# Altium PCB InsaneKeyboard.PcbDoc (part 2 of 4)
Units mil, origin at the board's own origin, x right, y up, seen from the top; angles counter-clockwise.
Board outline 7442.83 x 6333.68 mil, 2 copper layers (Top Layer, Bottom Layer), stack 61.756 mil thick; 289 components, 175 nets, 928 pads, 1143 vias.
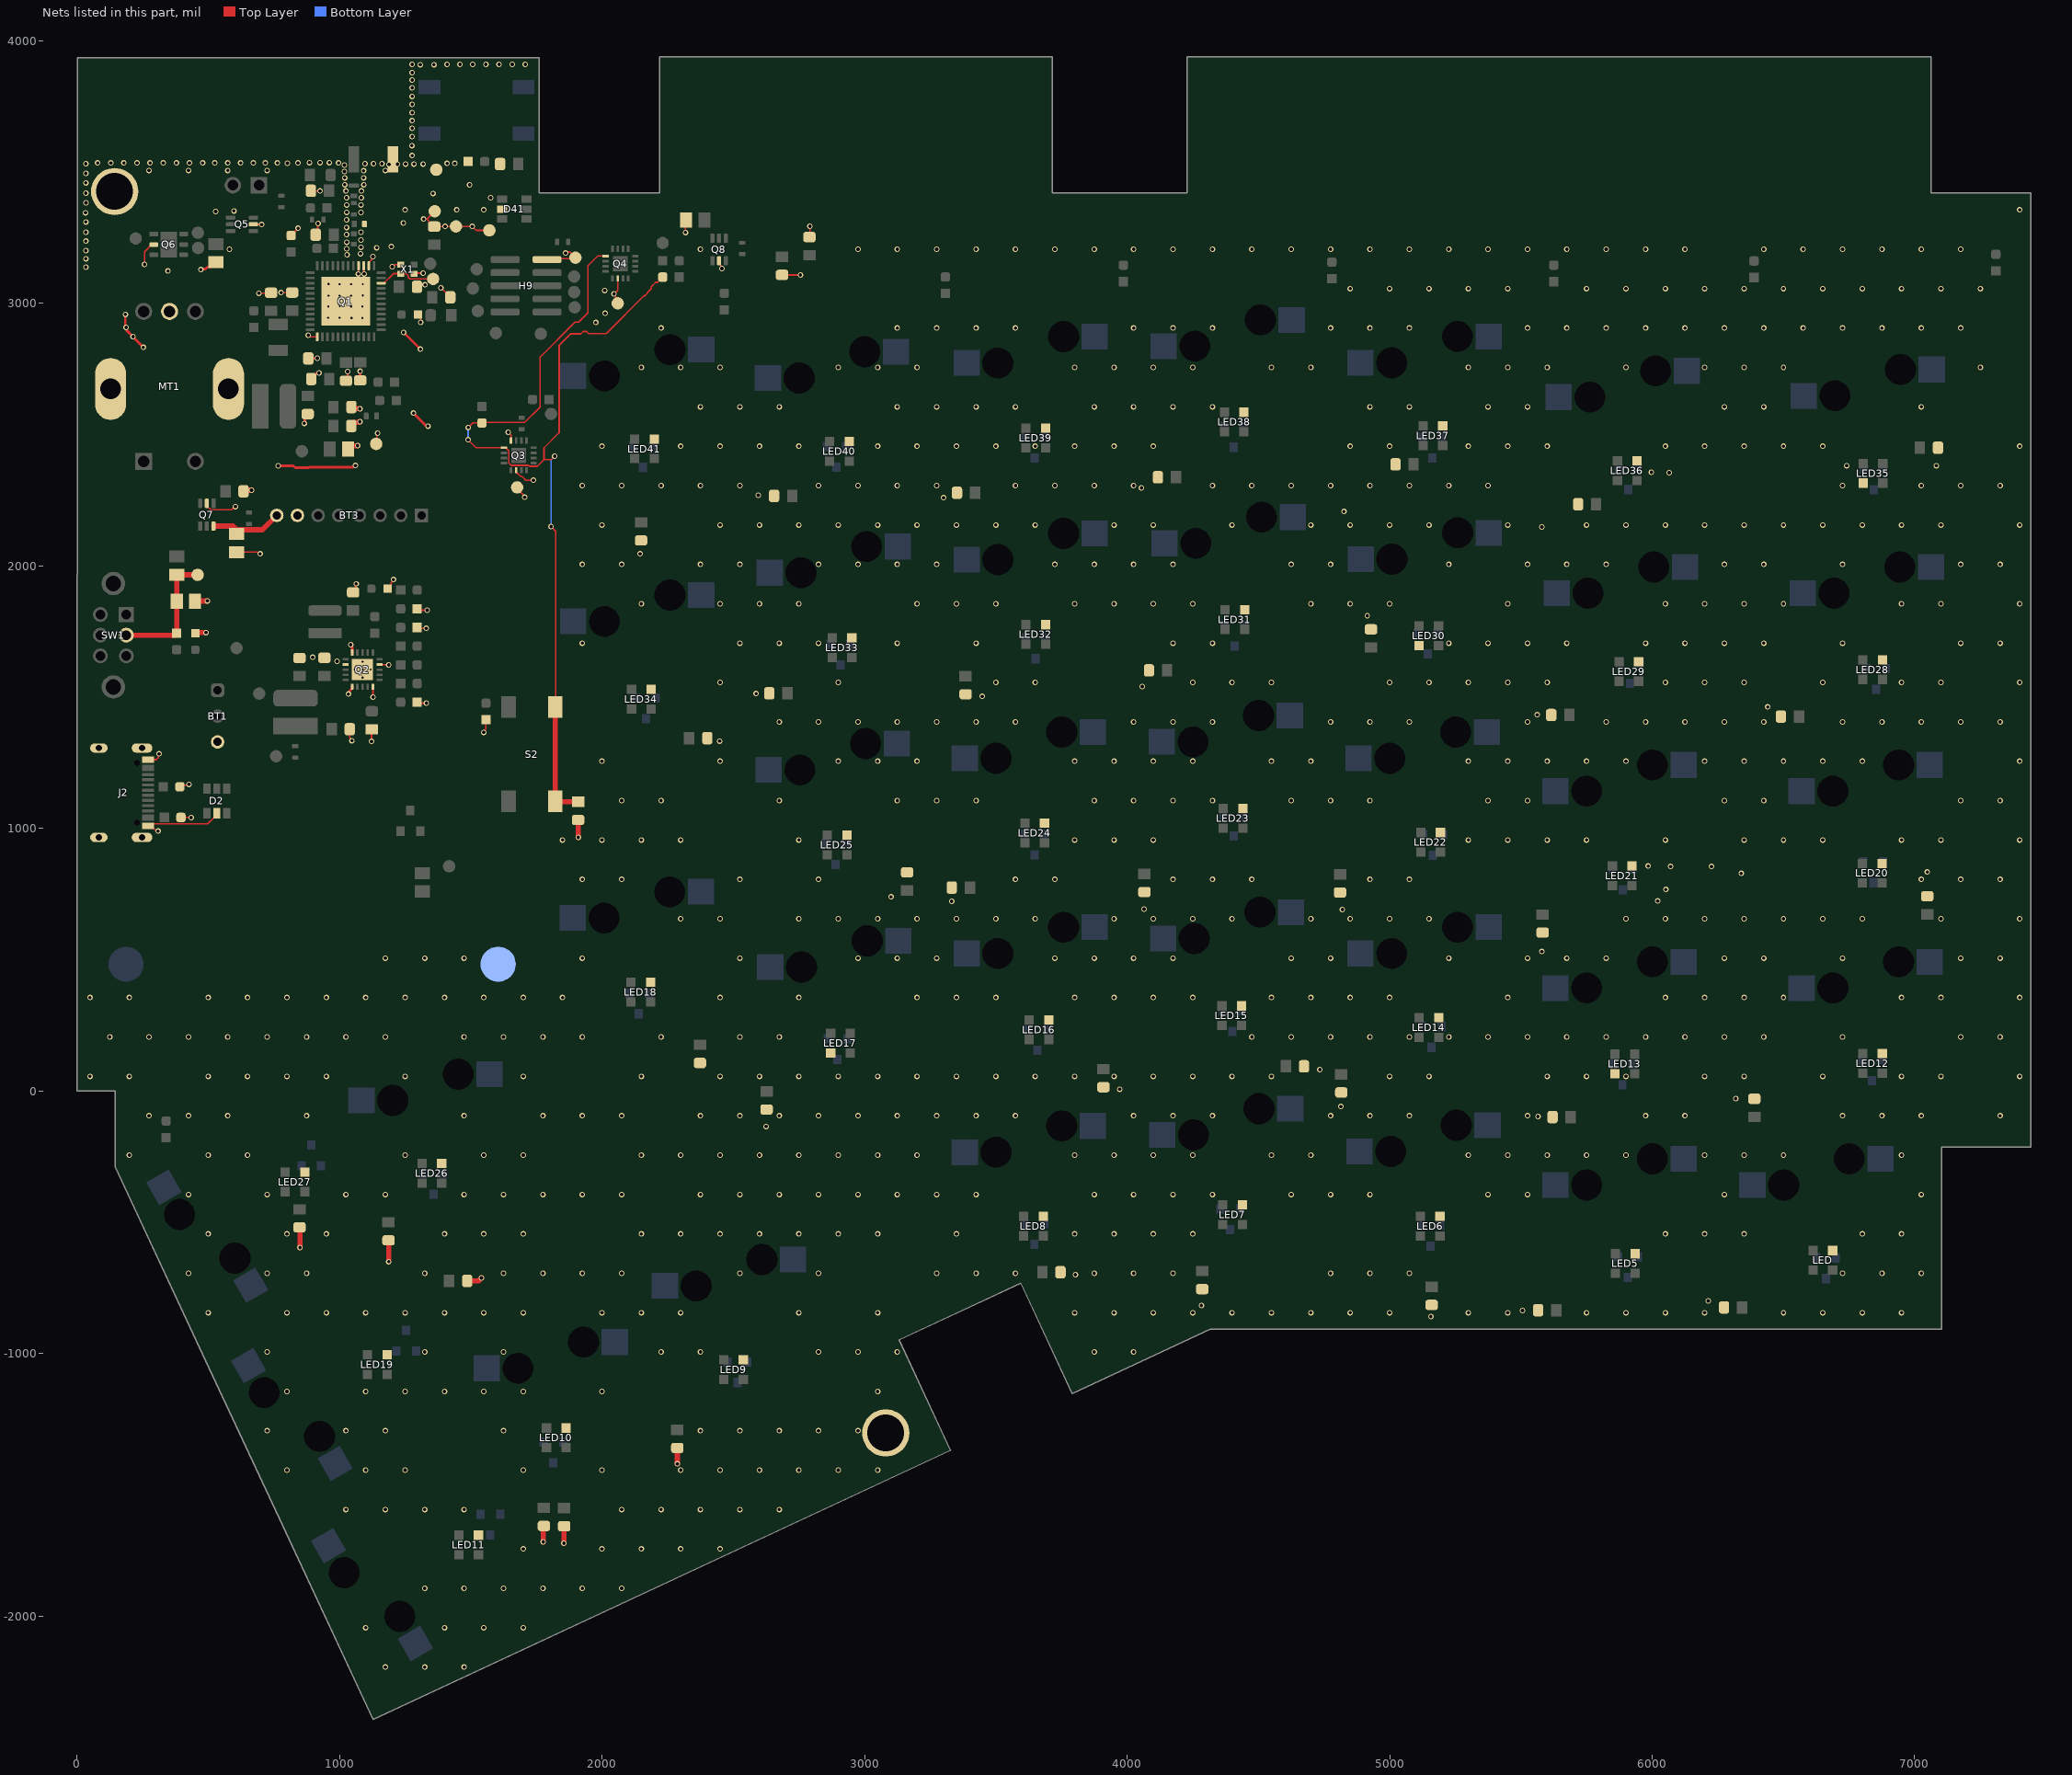
[diagram p2: the nets of this part, all layers, seen from the top]

## Part data (continued)
C8 C9 C12 C13 C14 C26 C27 C29 C31 C32 C33 C34 C35 C36 C37 C38 C39 C40 C41 C42 C43 C44 C45 C46 C47 C48 C49 C50 C51 C52 C53 C54 C55 C56 C57 C58 C59 C60 C61 C62 C63 C64 C65 C66 C67 C68 C69: library part "CAP 1uF 10V 0603", "Ceramic Capacitor, Multilayer, Ceramic, 10V, 10% +Tol, 10% -Tol, X5R, 15% TC, 1uF, Surface Mount, 0603", Capacitor Type=Ceramic, Case/Package=0603, Manufacturer=Murata, Manufacturer Part Number=GRM188R61A105KA61D, Max Operating Temperature=85°C, Min Operating Temperature=-55°C, Package Shape=Rectangular, Package Style=SMTMeter, Rated DC Voltage (URdc)=10V, Supplier Part Number=490-1543-1-ND, Temperature Characteristics Code=X5R, Tolerance  (fill in as +-)=10%, Category="Ceramic Capacitors", ComponentLink1Description=https://psearch.en.murata.com:443/capacitor/product/GRM188R61A105KA61%23.pdf?src-supplier=IHS+Markit, ComponentLink1URL=https://psearch.en.murata.com:443/capacitor/product/GRM188R61A105KA61%23.pdf?src-supplier=IHS+Markit, ComponentLink2Description=https://datasheet.ciiva.com/18102/getdatasheetpartid-85467-18102910.pdf?src-supplier=Verical, ComponentLink2URL=https://datasheet.ciiva.com/18102/getdatasheetpartid-85467-18102910.pdf?src-supplier=Verical, ComponentLink3Description=https://datasheet.ciiva.com/19476/1857381-19476568.pdf?src-supplier=Jameco, ComponentLink3URL=https://datasheet.ciiva.com/19476/1857381-19476568.pdf?src-supplier=Jameco, ComponentLink4Description=https://datasheet.ciiva.com/7719/608985-7719036.pdf?src-supplier=Element14, ComponentLink4URL=https://datasheet.ciiva.com/7719/608985-7719036.pdf?src-supplier=Element14, ComponentLink5Description=https://datasheet.ciiva.com/22706/608985-22706782.pdf?src-supplier=Element14, ComponentLink5URL=https://datasheet.ciiva.com/22706/608985-22706782.pdf?src-supplier=Element14, ComponentLink6Description=https://datasheet.ciiva.com/131/partnumbering-e-01-131741.pdf?src-supplier=Digikey, ComponentLink6URL=https://datasheet.ciiva.com/131/partnumbering-e-01-131741.pdf?src-supplier=Digikey, ComponentLink7Description=https://datasheet.ciiva.com/131/partnumbering-e-01-131742.pdf?src-supplier=Digikey, ComponentLink7URL=https://datasheet.ciiva.com/131/partnumbering-e-01-131742.pdf?src-supplier=Digikey, ComponentLink8Description=https://datasheet.ciiva.com/131/partnumbering-e-01-131743.pdf?src-supplier=Digikey, ComponentLink8URL=https://datasheet.ciiva.com/131/partnumbering-e-01-131743.pdf?src-supplier=Digikey, ComponentLink9Description=https://datasheet.ciiva.com/16199/product-16199724.pdf?src-supplier=Future+Electronics, ComponentLink9URL=https://datasheet.ciiva.com/16199/product-16199724.pdf?src-supplier=Future+Electronics, Dielectric Material=Ceramic, Height=0.8mm, JESD-609 Code=e3, Length=1.6mm, Mounting Technology="Surface Mount", Multilayer=Yes, Packaging="Tape and Reel", Pins=2, Pricing="1=0.1, 10=0.059, 50=0.0408, 100=0.0354, 500=0.0261, 1000=0.02321 (USD)", Reach SVHC Compliant=Yes, RoHS=Yes, RoHS Compliant=Yes, Stock=2506225, Supplier=Digikey, Terminal Finish=Nickel, Termination=Wraparound, Tolerance (fill in as +-)=10%, Width=0.8mm
C11 C16 C18: library part "CAP 10nF 100V 0603", "Ceramic Capacitor, Multilayer, Ceramic, 100V, 10% +Tol, 10% -Tol, X7R, 15% TC, 0.01uF, Surface Mount, 0603", Capacitor Type=Ceramic, Case/Package=0603, Manufacturer=Murata, Manufacturer Part Number=GCM188R72A103KA37D, Max Operating Temperature=125°C, Min Operating Temperature=-55°C, Package Shape=Rectangular, Package Style=SMTMeter, Rated DC Voltage (URdc)=100V, Supplier Part Number=490-4781-1-ND, Temperature Characteristics Code=X7R, Tolerance  (fill in as +-)=10%, Category="Ceramic Capacitors", ComponentLink1Description=https://psearch.en.murata.com:443/capacitor/product/GCM188R72A103KA37%23.pdf?src-supplier=IHS+Markit, ComponentLink1URL=https://psearch.en.murata.com:443/capacitor/product/GCM188R72A103KA37%23.pdf?src-supplier=IHS+Markit, ComponentLink2Description=https://datasheet.ciiva.com/132/product-132907.pdf?src-supplier=Digikey, ComponentLink2URL=https://datasheet.ciiva.com/132/product-132907.pdf?src-supplier=Digikey, ComponentLink3Description=https://datasheet.ciiva.com/132/product-132908.pdf?src-supplier=Digikey, ComponentLink3URL=https://datasheet.ciiva.com/132/product-132908.pdf?src-supplier=Digikey, ComponentLink4Description=https://datasheet.ciiva.com/132/product-132909.pdf?src-supplier=Digikey, ComponentLink4URL=https://datasheet.ciiva.com/132/product-132909.pdf?src-supplier=Digikey, ComponentLink5Description=https://datasheet.ciiva.com/11786/0900766b80ef92d0-11786108.pdf?src-supplier=Rs, ComponentLink5URL=https://datasheet.ciiva.com/11786/0900766b80ef92d0-11786108.pdf?src-supplier=Rs, ComponentLink6Description=https://datasheet.ciiva.com/16497/product-16497251.pdf?src-supplier=Future+Electronics, ComponentLink6URL=https://datasheet.ciiva.com/16497/product-16497251.pdf?src-supplier=Future+Electronics, ComponentLink7Description=https://datasheet.ciiva.com/18183/getdatasheetpartid-178890-18183651.pdf?src-supplier=Verical, ComponentLink7URL=https://datasheet.ciiva.com/18183/getdatasheetpartid-178890-18183651.pdf?src-supplier=Verical, ComponentLink8Description=https://datasheet.ciiva.com/11619/product-11619719.pdf?src-supplier=Avnet, ComponentLink8URL=https://datasheet.ciiva.com/11619/product-11619719.pdf?src-supplier=Avnet, Dielectric Material=Ceramic, Height=0.9mm, JESD-609 Code=e3, Length=1.6mm, Mounting Technology="Surface Mount", Multilayer=Yes, Packaging="Tape and Reel", Pins=2, Pricing="1=0.1, 10=0.03, 50=0.0204, 100=0.0174, 500=0.0125, 1000=0.01097, 4000=0.00978, 8000=0.00881, 12000=0.00833, 20000=0.00779, 28000=0.00747, 40000=0.00716, 100000=0.0065, 200000=0.00638 (USD)", Reach SVHC Compliant=Yes, Reference Standard=AEC-Q200, RoHS=Yes, RoHS Compliant=Yes, Stock=6259212, Supplier=Digikey, Terminal Finish=Nickel, Termination=Wraparound, Tolerance (fill in as +-)=10%, Width=0.8mm
C19: library part "CAP 22uF 6.3V 0603", "Ceramic Capacitor, Multilayer, Ceramic, 6.3V, 20% +Tol, 20% -Tol, X5R, 15% TC, 22uF, Surface Mount, 0603", Capacitance="22 uF", Capacitor Type=Ceramic, Case Code - in=0603, Case Code - mm=1608, Dielectric=X5R, Manufacturer=Murata, Manufacturer Part Number=GRM188R61A226ME15D, Max Operating Temperature=85°C, Maximum Operating Temperature="+ 85 C", Min Operating Temperature=-55°C, Minimum Operating Temperature="- 55 C", Package / Case="0603 (1608 metric)", Package Shape=Rectangular, Package Style=SMTMeter, Rated DC Voltage (URdc)=6.3V, Supplier Part Number=490-10476-1-ND, Tolerance="20 %", Tolerance  (fill in as +-)=20%, Voltage Rating DC="10 VDC", Brand="Murata Electronics", Case/Package=0603, Category="Ceramic Capacitors", ComponentLink1Description=http://www.farnell.com/datasheets/2047978.pdf?src-supplier=Element14, ComponentLink1URL=http://www.farnell.com/datasheets/2047978.pdf?src-supplier=Element14, ComponentLink2Description=https://datasheet.ciiva.com:443/pdfs/VipMasterIC/IC/MURE/MURE-S-A0004349797/MURE-S-A0004352371-1.pdf?src-supplier=IHS+Markit, ComponentLink2URL=https://datasheet.ciiva.com:443/pdfs/VipMasterIC/IC/MURE/MURE-S-A0004349797/MURE-S-A0004352371-1.pdf?src-supplier=IHS+Markit, ComponentLink3Description=https://datasheet.ciiva.com/29541/partnumbering-e-01-29541598.pdf?src-supplier=Digikey, ComponentLink3URL=https://datasheet.ciiva.com/29541/partnumbering-e-01-29541598.pdf?src-supplier=Digikey, Dielectric Material=Ceramic, Factory Pack Quantity=4000, Height="0.8 mm", JESD-609 Code=e3, Length="1.6 mm", Mounting Technology="Surface Mount", Multilayer=Yes, Packaging=Reel, Pins=2, Pricing="10000=0.03357, 20000=0.03118, 30000=0.02998, 50000=0.02865, 70000=0.02786, 100000=0.0271, 250000=0.02546 (USD)", Pricing 1="1=0.33, 10=0.226, 50=0.1506, 100=0.1279, 500=0.0903, 1000=0.079 (USD)", Product="General Type MLCCs", Product Category="Multilayer Ceramic Capacitors MLCC - SMD/SMT", Reach SVHC Compliant=Yes, RoHS=True, RoHS Compliant=Yes, Series=GRM, Stock=350000, Stock 1=849458, Supplier=Digikey, Supplier 1=Digi-Key, Temperature Characteristics Code=X5R, Terminal Finish=Nickel, Termination=Wraparound, Termination Style=SMD/SMT, Tolerance (fill in as +-)=20%, Type="Voltage and Temperature Derating Recommended Product", Unit Weight="0.000222 oz", Width="0.8 mm"
C20 C21: library part "CAP 0.1uF 100V 0603", "Ceramic Capacitor, Multilayer, Ceramic, 100V, 10% +Tol, 10% -Tol, X7R, 15% TC, 0.01uF, Surface Mount, 0603", Capacitor Type=Ceramic, Case/Package=0603, Manufacturer=Murata, Manufacturer Part Number=GCM188R72A103KA37D, Max Operating Temperature=125°C, Min Operating Temperature=-55°C, Package Shape=Rectangular, Package Style=SMTMeter, Rated DC Voltage (URdc)=100V, Supplier Part Number=490-4781-1-ND, Temperature Characteristics Code=X7R, Tolerance  (fill in as +-)=10%, Category="Ceramic Capacitors", ComponentLink1Description=https://psearch.en.murata.com:443/capacitor/product/GCM188R72A103KA37%23.pdf?src-supplier=IHS+Markit, ComponentLink1URL=https://psearch.en.murata.com:443/capacitor/product/GCM188R72A103KA37%23.pdf?src-supplier=IHS+Markit, ComponentLink2Description=https://datasheet.ciiva.com/132/product-132907.pdf?src-supplier=Digikey, ComponentLink2URL=https://datasheet.ciiva.com/132/product-132907.pdf?src-supplier=Digikey, ComponentLink3Description=https://datasheet.ciiva.com/132/product-132908.pdf?src-supplier=Digikey, ComponentLink3URL=https://datasheet.ciiva.com/132/product-132908.pdf?src-supplier=Digikey, ComponentLink4Description=https://datasheet.ciiva.com/132/product-132909.pdf?src-supplier=Digikey, ComponentLink4URL=https://datasheet.ciiva.com/132/product-132909.pdf?src-supplier=Digikey, ComponentLink5Description=https://datasheet.ciiva.com/11786/0900766b80ef92d0-11786108.pdf?src-supplier=Rs, ComponentLink5URL=https://datasheet.ciiva.com/11786/0900766b80ef92d0-11786108.pdf?src-supplier=Rs, ComponentLink6Description=https://datasheet.ciiva.com/16497/product-16497251.pdf?src-supplier=Future+Electronics, ComponentLink6URL=https://datasheet.ciiva.com/16497/product-16497251.pdf?src-supplier=Future+Electronics, ComponentLink7Description=https://datasheet.ciiva.com/18183/getdatasheetpartid-178890-18183651.pdf?src-supplier=Verical, ComponentLink7URL=https://datasheet.ciiva.com/18183/getdatasheetpartid-178890-18183651.pdf?src-supplier=Verical, ComponentLink8Description=https://datasheet.ciiva.com/11619/product-11619719.pdf?src-supplier=Avnet, ComponentLink8URL=https://datasheet.ciiva.com/11619/product-11619719.pdf?src-supplier=Avnet, Dielectric Material=Ceramic, Height=0.9mm, JESD-609 Code=e3, Length=1.6mm, Mounting Technology="Surface Mount", Multilayer=Yes, Packaging="Tape and Reel", Pins=2, Pricing="4000=0.00978, 8000=0.00881, 12000=0.00833, 20000=0.00779, 28000=0.00747, 40000=0.00716, 100000=0.0065, 200000=0.00638 (USD)", Reach SVHC Compliant=Yes, Reference Standard=AEC-Q200, RoHS=Yes, RoHS Compliant=Yes, Stock=6260000, Supplier=Digikey, Terminal Finish=Nickel, Termination=Wraparound, Tolerance (fill in as +-)=10%, Width=0.8mm
C22 C23 C24 C25 C28 C30 C70: library part "CAP 47uF 10V 0805", "Multilayer Ceramic Capacitor, 1 uF, 10 V, ± 20%, X5R, 0201 [0603 Metric]", Case Code (Imperial)=0201, Case Code (Metric)=0603, Dielectric=X5R, Manufacturer=Murata, Manufacturer Part Number=GRM033R61A105ME15D, Max Operating Temperature=85°C, Min Operating Temperature=-55°C, Supplier Part Number=490-13226-1-ND, Tolerance=20%, Voltage Rating=10V, Case/Package=0201, Category="Ceramic Capacitors", ComponentLink1Description=http://search.murata.co.jp/Ceramy/image/img/A01X/G101/ENG/GRM033R61A105ME15-01.pdf?src-supplier=Digikey, ComponentLink1URL=http://search.murata.co.jp/Ceramy/image/img/A01X/G101/ENG/GRM033R61A105ME15-01.pdf?src-supplier=Digikey, ComponentLink2Description=https://datasheet.octopart.com/GRM033R61A105ME15D-Murata-datasheet-86568077.pdf?src-supplier=Future+Electronics, ComponentLink2URL=https://datasheet.octopart.com/GRM033R61A105ME15D-Murata-datasheet-86568077.pdf?src-supplier=Future+Electronics, Height=390um, Length=0.024inch, Material=Ceramic, Mounting Technology="Surface Mount", Packaging="Cut Tape", Pricing="1=0.35, 10=0.204, 50=0.147, 100=0.1291, 500=0.0988, 1000=0.08934, 2500=0.0793, 5000=0.07321 (USD)", RoHS=Yes, RoHS Compliant=Yes, Series=GRM, Stock=595344, Supplier=Digikey, Thickness=0.015inch, Voltage Rating (DC)=10V, Width=0.012inch
D1 D3 D4 D5 D6 D7 D8 D9 D10 D11 D12 D13 D14 D15 D16 D17 D18 D19 D20 D21 D22 D23 D24 D25 D26 D27 D28 D29 D30 D31 D32 D33 D34 D35 D36 D37 D38 D39 D40: library part "Diode Schottky", "Rectifier Diode, Schottky, 2 Element, 0.2A, 30V V(RRM), Silicon", Manufacturer=Good-Ark, Manufacturer Part Number=BAT54C, Max Operating Temperature=150°C, Max Output current=200mA, Max Power Dissipation=290mW, Package Body Material=Plastic, Package Shape=Rectangular, Package Style="SMALL OUTLINEMeter", Rep Pk Reverse Voltage-Max=30V, Supplier Part Number=4786-BAT54CCT-ND, Category=Diodes, ComponentLink1Description=https://datasheet.ciiva.com:443/pdfs/VipMasterIC/IC/GOAE/GOAE-S-A0004282608/GOAE-S-A0004282608-1.pdf?src-supplier=IHS+Markit, ComponentLink1URL=https://datasheet.ciiva.com:443/pdfs/VipMasterIC/IC/GOAE/GOAE-S-A0004282608/GOAE-S-A0004282608-1.pdf?src-supplier=IHS+Markit, Diode Element Material=SILICON, Diode Type=RECTIFIER, JESD-30 Code=R-PDSO-G3, Number of Elements=2, Pins=3, Pricing="1=0.1, 10=0.052, 100=0.0348, 500=0.0263, 1000=0.02338 (USD)", Reach SVHC Compliant=Yes, Reverse Recovery Time-Max=0.005us, RoHS=Yes, RoHS Compliant=Yes, Stock=18297, Supplier=Digikey, Surface Mount=Yes, Technology=SCHOTTKY, Terminal Form="Gull Wing", Terminal Position=DUAL
D2: library part TVS_Diode, "Trans Voltage Suppressor Diode, 5V V(RWM), Unidirectional, 1 Element, Silicon", Breakdown Voltage-Nom=6V, Clamping Voltage-Max=17.5V, Manufacturer=MCC, Manufacturer Part Number=SRV05-4L-TP, Max Operating Temperature=150°C, Min Operating Temperature=-55°C, Package Body Material=Plastic, Package Shape=Rectangular, Package Style="SMALL OUTLINEMeter", Peak Reflow Temperature (Cel)=260°C, Rep Pk Reverse Voltage-Max=5V, Supplier Part Number=SRV05-4L-TPMSCT-ND, Time @ Peak Reflow Temperature-Max (s)=10s, Category="TVS Diodes", ComponentLink1Description=https://datasheet.ciiva.com/18065/getdatasheetpartid-93542-18065216.pdf?src-supplier=Verical, ComponentLink1URL=https://datasheet.ciiva.com/18065/getdatasheetpartid-93542-18065216.pdf?src-supplier=Verical, ComponentLink2Description=https://datasheet.ciiva.com/8029/srv05-4-8029973.pdf?src-supplier=Element14, ComponentLink2URL=https://datasheet.ciiva.com/8029/srv05-4-8029973.pdf?src-supplier=Element14, ComponentLink3Description=https://datasheet.ciiva.com/338/srv05-4-338860.pdf?src-supplier=Digikey, ComponentLink3URL=https://datasheet.ciiva.com/338/srv05-4-338860.pdf?src-supplier=Digikey, ComponentLink4Description=https://datasheet.ciiva.com/338/srv05-4-338861.pdf?src-supplier=Digikey, ComponentLink4URL=https://datasheet.ciiva.com/338/srv05-4-338861.pdf?src-supplier=Digikey, ComponentLink5Description=https://datasheet.ciiva.com/338/srv05-4-338862.pdf?src-supplier=Digikey, ComponentLink5URL=https://datasheet.ciiva.com/338/srv05-4-338862.pdf?src-supplier=Digikey, ComponentLink6Description=https://datasheet.ciiva.com/11193/srv05-4-11193639.pdf?src-supplier=Avnet, ComponentLink6URL=https://datasheet.ciiva.com/11193/srv05-4-11193639.pdf?src-supplier=Avnet, ComponentLink7Description=https://datasheet.ciiva.com/16396/srv05-4-16396600.pdf?src-supplier=Future+Electronics, ComponentLink7URL=https://datasheet.ciiva.com/16396/srv05-4-16396600.pdf?src-supplier=Future+Electronics, ComponentLink8Description=https://datasheet.ciiva.com:443/pdfs/VipMasterIC/IC/MCCC/MCCC-S-A0009363148/MCCC-S-A0009375196-1.pdf?src-supplier=IHS+Markit, ComponentLink8URL=https://datasheet.ciiva.com:443/pdfs/VipMasterIC/IC/MCCC/MCCC-S-A0009363148/MCCC-S-A0009375196-1.pdf?src-supplier=IHS+Markit, ComponentLink9Description=https://datasheet.ciiva.com/336/srv05-4lsot23-6l-336634.pdf?src-supplier=Digikey, ComponentLink9URL=https://datasheet.ciiva.com/336/srv05-4lsot23-6l-336634.pdf?src-supplier=Digikey, ComponentLink10Description=https://datasheet.ciiva.com/23688/1684857-23688658.pdf?src-supplier=Newark, ComponentLink10URL=https://datasheet.ciiva.com/23688/1684857-23688658.pdf?src-supplier=Newark, ComponentLink11Description=https://datasheet.ciiva.com/4479/srv05-4lsot23-6l-43477-4479587.pdf?src-supplier=Mouser, ComponentLink11URL=https://datasheet.ciiva.com/4479/srv05-4lsot23-6l-43477-4479587.pdf?src-supplier=Mouser, ComponentLink12Description=https://datasheet.ciiva.com/336/srv05-4lsot23-6l-336635.pdf?src-supplier=Digikey, ComponentLink12URL=https://datasheet.ciiva.com/336/srv05-4lsot23-6l-336635.pdf?src-supplier=Digikey, ComponentLink13Description=https://datasheet.ciiva.com/336/srv05-4lsot23-6l-336636.pdf?src-supplier=Digikey, ComponentLink13URL=https://datasheet.ciiva.com/336/srv05-4lsot23-6l-336636.pdf?src-supplier=Digikey, ComponentLink14Description=https://datasheet.ciiva.com/7974/1684857-7974109.pdf?src-supplier=Element14, ComponentLink14URL=https://datasheet.ciiva.com/7974/1684857-7974109.pdf?src-supplier=Element14, ComponentLink15Description=https://datasheet.ciiva.com/17447/srv05-4lsot23-6l-17447949.pdf?src-supplier=Future+Electronics, ComponentLink15URL=https://datasheet.ciiva.com/17447/srv05-4lsot23-6l-17447949.pdf?src-supplier=Future+Electronics, Diode Element Material=SILICON, Diode Type="TRANS VOLTAGE SUPPRESSOR", JESD-30 Code=R-PDSO-G6, JESD-609 Code=e3, Min Breakdown Voltage=6V, Moisture Sensitivity Level=1, Number of Elements=1, Pins=6, Polarity=Unidirectional, Pricing="1=0.49, 10=0.332, 100=0.2248, 500=0.17558, 1000=0.15926 (USD)", Qualification Status="Not Qualified", Reach SVHC Compliant=Yes, RoHS=Yes, RoHS Compliant=Yes, Stock=23215, Supplier=Digikey, Surface Mount=Yes, Technology=AVALANCHE, Terminal Finish=Tin, Terminal Form="Gull Wing", Terminal Position=DUAL
D41: library part D_TVS_Diode, "Trans Voltage Suppressor Diode, 300W, 5V V(RWM), Unidirectional, 1 Element, Silicon", Clamping Voltage-Max=12.5V, LCSC Part#=C85364, Manufacturer=Semtech, Manufacturer Part Number=SRV05-4.TCT, Max Operating Temperature=125°C, MFR Part #=SRV05-4-P-T7, Min Breakdown Voltage=6V, Min Operating Temperature=-55°C, Non-rep Peak Rev Power Dis-Max=300W, Package Body Material=Plastic, Package Shape=Rectangular, Package Style="SMALL OUTLINEMeter", Peak Reflow Temperature (Cel)=260°C, Rep Pk Reverse Voltage-Max=5V, Supplier Part Number=SRV05-4CT-ND, Time @ Peak Reflow Temperature-Max (s)=30s, Category="TVS Diodes", ComponentLink1Description=https://datasheet.ciiva.com:443/pdfs/VipMasterIC/IC/SEMT/SEMT-S-A0000304756/SEMT-S-A0000304756-1.pdf?src-supplier=IHS+Markit, ComponentLink1URL=https://datasheet.ciiva.com:443/pdfs/VipMasterIC/IC/SEMT/SEMT-S-A0000304756/SEMT-S-A0000304756-1.pdf?src-supplier=IHS+Markit, ComponentLink2Description=https://datasheet.ciiva.com/8029/srv05-4-8029973.pdf?src-supplier=Element14, ComponentLink2URL=https://datasheet.ciiva.com/8029/srv05-4-8029973.pdf?src-supplier=Element14, ComponentLink3Description=https://datasheet.ciiva.com/18065/getdatasheetpartid-93542-18065216.pdf?src-supplier=Verical, ComponentLink3URL=https://datasheet.ciiva.com/18065/getdatasheetpartid-93542-18065216.pdf?src-supplier=Verical, ComponentLink4Description=https://datasheet.ciiva.com/338/srv05-4-338860.pdf?src-supplier=Digikey, ComponentLink4URL=https://datasheet.ciiva.com/338/srv05-4-338860.pdf?src-supplier=Digikey, ComponentLink5Description=https://datasheet.ciiva.com/338/srv05-4-338861.pdf?src-supplier=Digikey, ComponentLink5URL=https://datasheet.ciiva.com/338/srv05-4-338861.pdf?src-supplier=Digikey, ComponentLink6Description=https://datasheet.ciiva.com/338/srv05-4-338862.pdf?src-supplier=Digikey, ComponentLink6URL=https://datasheet.ciiva.com/338/srv05-4-338862.pdf?src-supplier=Digikey, ComponentLink7Description=https://datasheet.ciiva.com/11193/srv05-4-11193639.pdf?src-supplier=Avnet, ComponentLink7URL=https://datasheet.ciiva.com/11193/srv05-4-11193639.pdf?src-supplier=Avnet, ComponentLink8Description=https://datasheet.ciiva.com/16396/srv05-4-16396600.pdf?src-supplier=Future+Electronics, ComponentLink8URL=https://datasheet.ciiva.com/16396/srv05-4-16396600.pdf?src-supplier=Future+Electronics, Datasheet=https://datasheet.lcsc.com/szlcsc/ProTek-Devices-SRV05-4-P-T7_C85364.pdf, Diode Element Material=SILICON, Diode Type="TRANS VOLTAGE SUPPRESSOR", JESD-30 Code=R-PDSO-G6, JESD-609 Code=e3, Moisture Sensitivity Level=1, Number of Elements=1, Pins=6, Polarity=Unidirectional, Pricing="1=1.34, 10=0.903, 100=0.6313, 500=0.50952, 1000=0.46965 (USD)", Qualification Status="Not Qualified", Reach SVHC Compliant=Yes, RoHS=Yes, RoHS Compliant=Yes, Stock=366681, Supplier=Digikey, Surface Mount=Yes, Technology=AVALANCHE, Terminal Finish=Tin, Terminal Form="Gull Wing", Terminal Position=DUAL, Type=Basic
H1 H2: library part HOLE_#4
H3: library part PRPC002SAAN-RC, "CONN HEADER VERT 2POS 2.54MM", Color=Black, Manufacturer=Sullins, Standard Package=1, Supplier Part Number 1=S1011EC-02-ND, Category="Connectors, Interconnects", ComponentLink1Description=https://media.digikey.com/PDF/Data%20Sheets/Sullins%20PDFs/xRxCzzzSxxN-RC_ST_11635-B.pdf?src-supplier=Digi-Key, ComponentLink1URL=https://media.digikey.com/PDF/Data%20Sheets/Sullins%20PDFs/xRxCzzzSxxN-RC_ST_11635-B.pdf?src-supplier=Digi-Key, Connector Type="Header, Unshrouded, Breakaway", Contact Finish=Gold, Contact Finish Thickness=Flash, Contact Mating Length="0.230\" (5.84mm)", Contact Type="Male Pin", Family="Rectangular Connectors - Headers, Male Pins", Fastening Type=-, Features=-, Manufacturer Part Number=PRPC002SAAN-RC, Mounting Type="Through Hole", Number of Positions=2, Number of Positions Loaded=All, Number of Rows=1, Online Catalog="0.100\" (2.54mm) Pitch Connector Headers", Other Names="S9510E-02  S9510E-02-ND", Packaging=Bulk, Pitch="0.100\" (2.54mm)", Pricing 1="1=0.08, 10=0.073, 25=0.054, 50=0.0464, 100=0.0449, 250=0.0387, 500=0.0372 (USD)", Row Spacing=-, Series=-, Stock 1=42739, Supplier 1=Digi-Key, Termination=Solder
H9: library part "Debug Connector Mini SWD - 0.05\"", "Mini SWD 0.05\" Pitch Connector - 10 Pin SMT Box Header", Manufacturer="Adafruit Industries", Manufacturer Part Number=4048, Category=Connectors, ComponentLink1Description=https://media.digikey.com/pdf/Data%20Sheets/Adafruit%20PDFs/4048_Web.pdf?src-supplier=Digi-Key, ComponentLink1URL=https://media.digikey.com/pdf/Data%20Sheets/Adafruit%20PDFs/4048_Web.pdf?src-supplier=Digi-Key, Pricing 1="1=1.95000 (USD)", RoHS=No, Stock 1=201, Supplier 1=Digi-Key
J2: library part "USB-C Power Connector", "USB-C (USB TYPE-C) Receptacle Connector 24 (6+18 Dummy) Position Surface Mount, Right Angle; Through Hole", Manufacturer Part Number=USB4125-GF-A_REVA2, Package=None, Availability=Unavailable, Price=None
L1 L2: library part "IND 1.9nH 0402", "Inductor Chip 1.9nH 0.3nH Tolerance 2-Pin 0402 Paper T/R", Case/Package=0402, DC Resistance (DCR)=50mR, Manufacturer=Murata, Manufacturer Part Number=LQG15WZ1N9S02D, Max Operating Temperature=125°C, Min Operating Temperature=-55°C, Ratings=AEC-Q200, Self Resonant Frequency=8GHz, Supplier Part Number=490-LQG15WZ1N9S02DCT-ND, Test Frequency=100MHz, Category="Fixed Inductors", ComponentLink1Description=https://search.murata.co.jp/Ceramy/image/img/P02/JELF243B-9117.pdf?src-supplier=Digikey, ComponentLink1URL=https://search.murata.co.jp/Ceramy/image/img/P02/JELF243B-9117.pdf?src-supplier=Digikey, Mounting Technology="Surface Mount", Pricing="1=0.12, 10=0.093, 25=0.084, 50=0.0778, 100=0.0722, 250=0.06528, 500=0.06048, 1000=0.05605, 2500=0.05066 (USD)", RoHS=Yes, RoHS Compliant=Yes, Series=LQG15, Shielding=Unshielded, Stock=2657, Supplier=Digikey
L3 L4: library part "Ferrite Bead 600(601) 1LN", "RFVDD, PAVDD, EFR", Case Code=0603, Clock Frequency=100MHz, Current Rating=500mA, DC Resistance-Max=380mR, Manufacturer=Murata, Manufacturer Part Number=BLM18AG601SN1D, Max Operating Temperature=125°C, Min Operating Temperature=-55°C, Supplier Part Number=490-1014-1-ND, Category="Ferrite Beads and Chips", Channels=1, ComponentLink1Description=https://datasheet.ciiva.com:443/pdfs/VipMasterIC/IC/MURE/MURE-S-A0008871331/MURE-S-A0008870588-1.pdf?src-supplier=IHS+Markit, ComponentLink1URL=https://datasheet.ciiva.com:443/pdfs/VipMasterIC/IC/MURE/MURE-S-A0008871331/MURE-S-A0008870588-1.pdf?src-supplier=IHS+Markit, ComponentLink2Description=https://datasheet.ciiva.com/19460/1844766-19460213.pdf?src-supplier=Jameco, ComponentLink2URL=https://datasheet.ciiva.com/19460/1844766-19460213.pdf?src-supplier=Jameco, ComponentLink3Description=https://datasheet.ciiva.com/29347/442309-da-01-en-chip-drossel-0603-600r-500ma-1-6x0-8mm-29347900.pdf?src-supplier=Conrad, ComponentLink3URL=https://datasheet.ciiva.com/29347/442309-da-01-en-chip-drossel-0603-600r-500ma-1-6x0-8mm-29347900.pdf?src-supplier=Conrad, ComponentLink4Description=https://datasheet.ciiva.com/41449/001172228-da-01-en-drossel-0603-600r-1-6x0-8mm-4000st-41449517.pdf?src-supplier=Conrad, ComponentLink4URL=https://datasheet.ciiva.com/41449/001172228-da-01-en-drossel-0603-600r-1-6x0-8mm-4000st-41449517.pdf?src-supplier=Conrad, ComponentLink5Description=https://datasheet.ciiva.com/1012/l0110s0100blm18a-1012017.pdf?src-supplier=Digikey, ComponentLink5URL=https://datasheet.ciiva.com/1012/l0110s0100blm18a-1012017.pdf?src-supplier=Digikey, ComponentLink6Description=https://datasheet.ciiva.com/1012/l0110s0100blm18a-1012018.pdf?src-supplier=Digikey, ComponentLink6URL=https://datasheet.ciiva.com/1012/l0110s0100blm18a-1012018.pdf?src-supplier=Digikey, ComponentLink7Description=https://datasheet.ciiva.com/1012/l0110s0100blm18a-1012019.pdf?src-supplier=Digikey, ComponentLink7URL=https://datasheet.ciiva.com/1012/l0110s0100blm18a-1012019.pdf?src-supplier=Digikey, ComponentLink8Description=https://datasheet.ciiva.com/3081/l0110s0100blm18a-3081613.pdf?src-supplier=Avnet, ComponentLink8URL=https://datasheet.ciiva.com/3081/l0110s0100blm18a-3081613.pdf?src-supplier=Avnet, Construction="Chip Bead", Filter Type="FERRITE CHIP", Height=0.8mm, JESD-609 Code=e3, Length=1.6mm, Material=Ferrite, Min Frequency=100MHz, Mounting Technology="Surface Mount", Output Impedance=600R, Packaging="Tape and Reel", Pricing="1=0.1, 10=0.058, 25=0.0504, 50=0.0452, 100=0.0405, 250=0.03488, 500=0.03106, 1000=0.02756 (USD)", Reach SVHC Compliant=Yes, RoHS=Yes, RoHS Compliant=Yes, Stock=669813, Supplier=Digikey, Terminal Finish=Nickel, Width=0.8mm
L5: library part "IND 4.7uH 1515", "General Purpose Inductor, 4.7uH, 30%, 1 Element, Ferrite-Core, SMD, 1515", Case/Size Code=1515, DC Resistance (DCR)=105mR, Inductance-Nom (L)=4.7uH, Inductor Application="POWER INDUCTOR", Inductor Type="GENERAL PURPOSE INDUCTOR", Manufacturer="Wurth Electronics", Manufacturer Part Number=744031004, Max Current Rating=1.2A, Max Operating Temperature=115°C, Min Operating Temperature=-40°C, Package Height=1.65mm, Package Length=3.8mm, Package Style=SMTMeter, Self Resonant Frequency=75MHz, Supplier Part Number=732-1008-1-ND, Test Frequency=100kHz, Tolerance=30%, Category="Fixed Inductors", Channels=1, ComponentLink1Description=https://datasheet.ciiva.com:443/pdfs/VipMasterIC/IC/MIDC/MIDC-S-A0002801302/MIDC-S-A0002801302-1.pdf?src-supplier=IHS+Markit, ComponentLink1URL=https://datasheet.ciiva.com:443/pdfs/VipMasterIC/IC/MIDC/MIDC-S-A0002801302/MIDC-S-A0002801302-1.pdf?src-supplier=IHS+Markit, ComponentLink2Description=https://datasheet.ciiva.com/7210/744031004-7210940.pdf?src-supplier=Newark, ComponentLink2URL=https://datasheet.ciiva.com/7210/744031004-7210940.pdf?src-supplier=Newark, ComponentLink3Description=https://datasheet.ciiva.com/11800/0900766b8079f7b1-11800238.pdf?src-supplier=Rs, ComponentLink3URL=https://datasheet.ciiva.com/11800/0900766b8079f7b1-11800238.pdf?src-supplier=Rs, ComponentLink4Description=https://datasheet.ciiva.com/4961/744031004-18796-4961279.pdf?src-supplier=Mouser, ComponentLink4URL=https://datasheet.ciiva.com/4961/744031004-18796-4961279.pdf?src-supplier=Mouser, ComponentLink5Description=https://datasheet.ciiva.com/22702/1910986-22702636.pdf?src-supplier=Element14, ComponentLink5URL=https://datasheet.ciiva.com/22702/1910986-22702636.pdf?src-supplier=Element14, ComponentLink6Description=https://datasheet.ciiva.com/14123/lm744031004-data-de-14123798.pdf?src-supplier=Distrelec, ComponentLink6URL=https://datasheet.ciiva.com/14123/lm744031004-data-de-14123798.pdf?src-supplier=Distrelec, ComponentLink7Description=https://datasheet.ciiva.com/1050/744031004-1050615.pdf?src-supplier=Digikey, ComponentLink7URL=https://datasheet.ciiva.com/1050/744031004-1050615.pdf?src-supplier=Digikey, ComponentLink8Description=https://datasheet.ciiva.com/1050/744031004-1050616.pdf?src-supplier=Digikey, ComponentLink8URL=https://datasheet.ciiva.com/1050/744031004-1050616.pdf?src-supplier=Digikey, ComponentLink9Description=https://datasheet.ciiva.com/1050/744031004-1050617.pdf?src-supplier=Digikey, ComponentLink9URL=https://datasheet.ciiva.com/1050/744031004-1050617.pdf?src-supplier=Digikey, Construction=Chip, Core Material=Ferrite, JESD-609 Code=e1, Package Width=3.8mm, Packaging="Tape and Reel", Pins=2, Pricing="1=1.52, 10=1.481, 50=1.296, 100=1.185, 500=1.044 (USD)", Reach SVHC Compliant=Yes, RoHS=Yes, RoHS Compliant=Yes, Shape/Size Description="RECTANGULAR PACKAGE", Shielding=Unshielded, Stock=8696, Supplier=Digikey, Surface Mount=Yes, Terminal Finish=Copper, Terminal Placement="Dual Ended", Termination="One Surface"
L6: library part "Farrite Bead 102(1k)", "Ferrite Chip, 1 Function(s), 0.05A, 2 Pin(s)", Current Rating=50mA, DC Resistance-Max=1.8R, Manufacturer="Wurth Electronics", Manufacturer Part Number=742841210, Max Operating Temperature=125°C, Min Operating Temperature=-55°C, Supplier Part Number=732-2363-1-ND, Approvals=IECV, Category="Ferrite Beads and Chips", Channels=1, ComponentLink1Description=https://datasheet.ciiva.com:443/pdfs/VipMasterIC/IC/MIDC/MIDC-S-A0010058265/MIDC-S-A0010058302-1.pdf?src-supplier=IHS+Markit, ComponentLink1URL=https://datasheet.ciiva.com:443/pdfs/VipMasterIC/IC/MIDC/MIDC-S-A0010058265/MIDC-S-A0010058302-1.pdf?src-supplier=IHS+Markit, ComponentLink2Description=https://datasheet.ciiva.com/1013/742841210-1013608.pdf?src-supplier=Digikey, ComponentLink2URL=https://datasheet.ciiva.com/1013/742841210-1013608.pdf?src-supplier=Digikey, ComponentLink3Description=https://datasheet.ciiva.com/23763/742841210-23763049.pdf?src-supplier=Newark, ComponentLink3URL=https://datasheet.ciiva.com/23763/742841210-23763049.pdf?src-supplier=Newark, ComponentLink4Description=https://datasheet.ciiva.com/30490/0900766b812a6786-30490017.pdf?src-supplier=Rs, ComponentLink4URL=https://datasheet.ciiva.com/30490/0900766b812a6786-30490017.pdf?src-supplier=Rs, ComponentLink5Description=https://datasheet.ciiva.com/4942/742841210-66534-4942954.pdf?src-supplier=Mouser, ComponentLink5URL=https://datasheet.ciiva.com/4942/742841210-66534-4942954.pdf?src-supplier=Mouser, ComponentLink6Description=https://datasheet.ciiva.com/22711/1696154-22711446.pdf?src-supplier=Element14, ComponentLink6URL=https://datasheet.ciiva.com/22711/1696154-22711446.pdf?src-supplier=Element14, ComponentLink7Description=https://datasheet.ciiva.com/1466/1696154-1466628.pdf?src-supplier=Element14, ComponentLink7URL=https://datasheet.ciiva.com/1466/1696154-1466628.pdf?src-supplier=Element14, Filter Type="FERRITE CHIP", Height=0.5mm, JESD-609 Code=e3, Length=1mm, Mounting Technology="Surface Mount", Output Impedance=1kR, Packaging="Tape and Reel", Pricing="1=0.25, 100=0.239, 500=0.215, 1000=0.203, 2000=0.191 (USD)", Reach SVHC Compliant=Yes, RoHS=Yes, RoHS Compliant=Yes, Stock=18596, Supplier=Digikey, Terminal Finish=Nickel, Width=0.5mm